# Altium PCB Cueing-shoes-LSM9DS1.PcbDoc (part 1 of 2)
Units mm, origin at the board's own origin, x right, y up, seen from the top; angles counter-clockwise.
Board outline 61.47 x 70.61 mm, 2 copper layers (Top Layer, Bottom Layer); 73 components, 55 nets, 298 pads, 1540 vias.
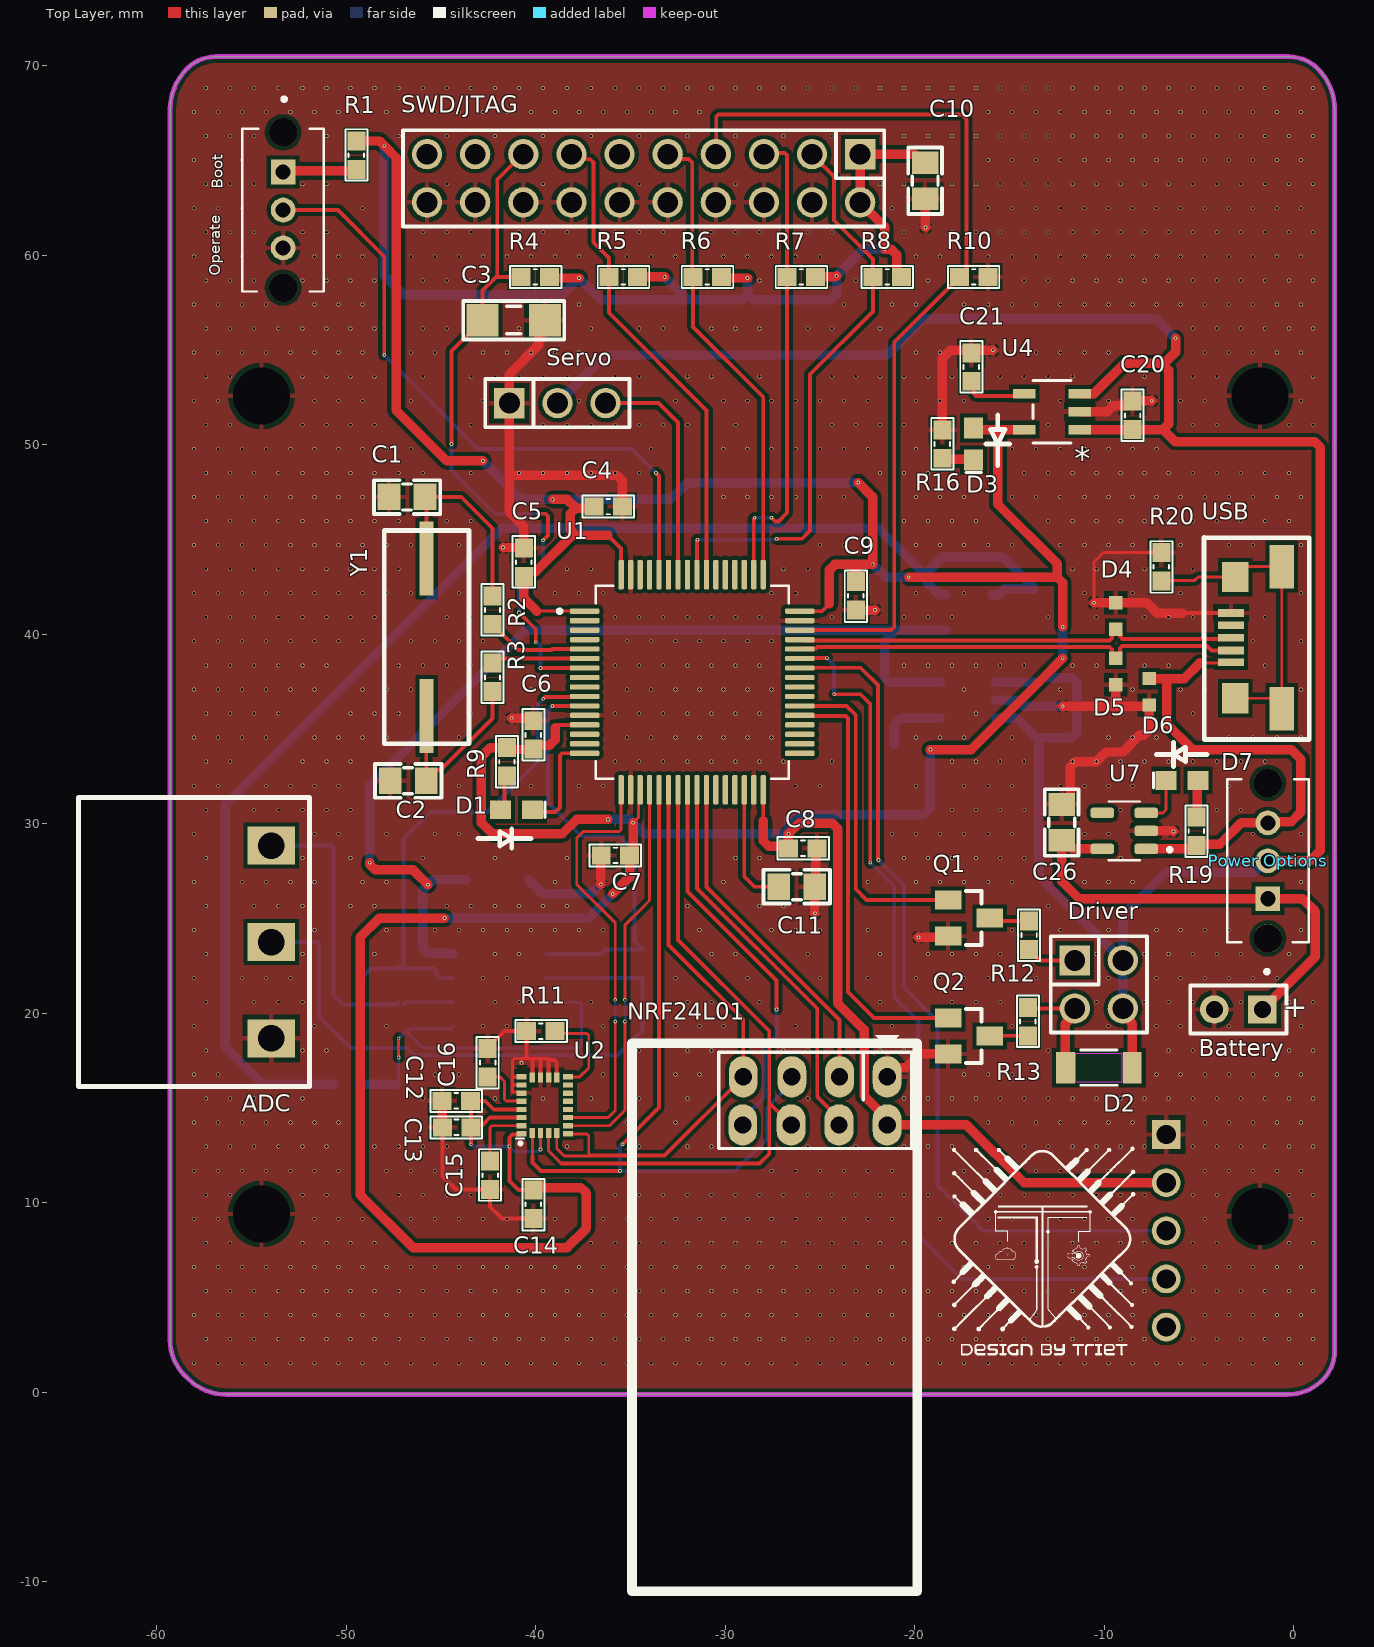
[diagram p0: Top Layer view]
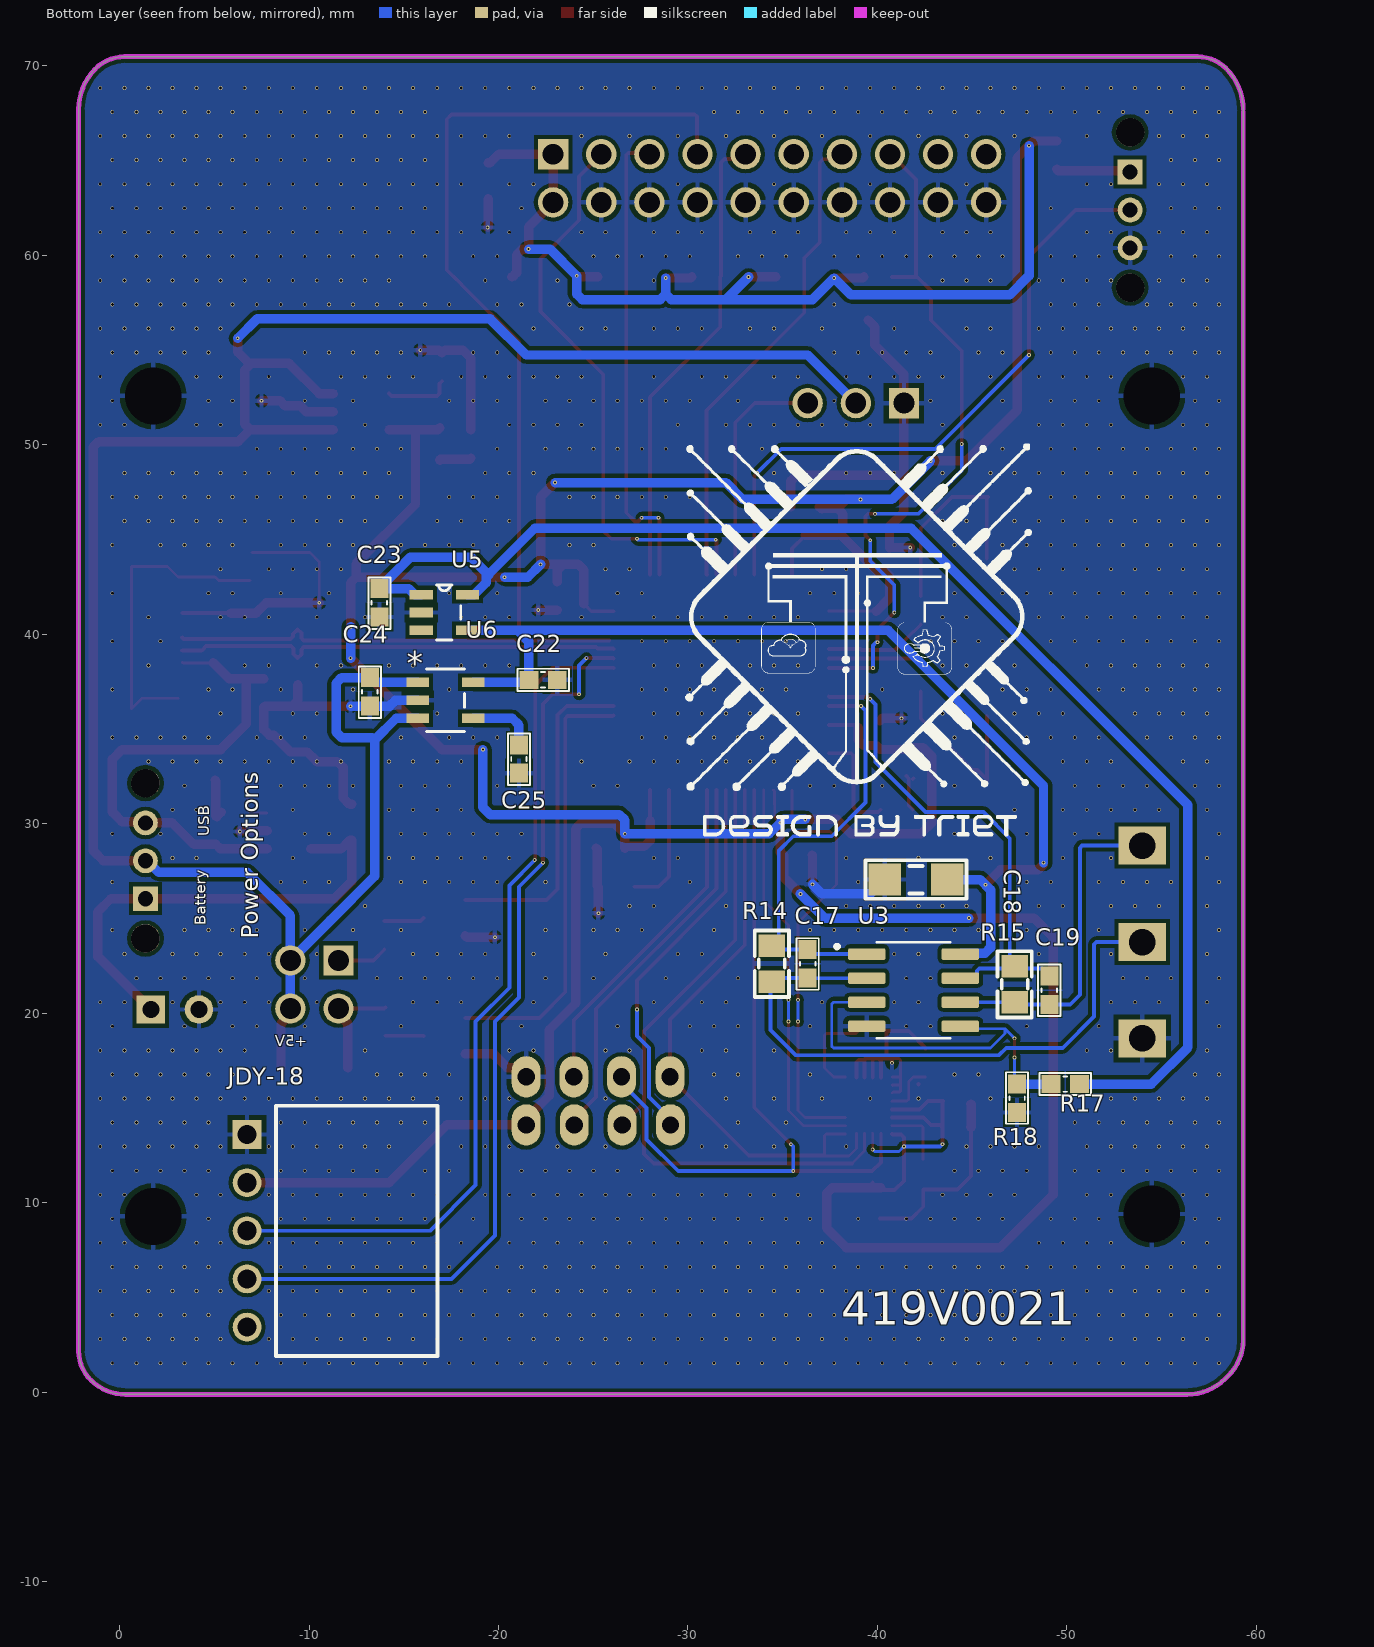
[diagram p1: Bottom Layer view, seen from below]

## Layer stack, top to bottom
Top Solder: solder mask 0.0102, Solder Resist, Dk 3.5
Top Layer: signal copper 0.0356
Dielectric 1: dielectric 0.32, FR-4, Dk 4.8
Bottom Layer: signal copper 0.0356
Bottom Solder: solder mask 0.0102, Solder Resist, Dk 3.5

## Board outline
-58.547,0.889 -58.429,0.771 ccw(c-56.261,2.939) -56.261,-0.127 -0.316,-0.127 ccw(c-0.316,2.475) 1.524,0.635 ccw(c-0.009,2.168) 2.159,2.168 2.159,67.704 ccw(c-0.876,67.704) 1.27,69.85 ccw(c-0.263,68.317) -0.263,70.485 -56.9,70.485 ccw(c-56.9,68.348) -58.411,69.859 ccw(c-56.243,67.691) -59.309,67.691 -59.309,2.729 ccw(c-56.707,2.729)

## Design rules (kind name [scope] priority, off if disabled: settings)
Clearance [All] p1: gap=0.203 ignorepadtopadclearanceinfootprint=FALSE
DiffPairsRouting [All] p1: maxlimit=0.127 minlimit=0.127 mostfreqgap=0.127 toplayer_minwidth=0.215 toplayer_maxwidth=0.215 toplayer_prefwidth=0.215 bottomlayer_minwidth=0.215 bottomlayer_maxwidth=0.215 bottomlayer_prefwidth=0.215 impedanceprofiledriven=TRUE impedanceprofileid={E0F58654-EE13-4A40-A79F-A007ECFC75F9} impedanceprofilevalue=90.000000 maxuncoupledlength=12.7
HoleSize [All] p1: absolutevalues=TRUE maxlimit=5 minlimit=0.025 maxpercent=80.000 minpercent=20.000
PolygonConnect [All] p1: connectstyle=Relief reliefconductorwidth=0.254 reliefentries=4 polygonreliefangle="90 Angle" airgapwidth=0.254
RoomDefinition PowerSrc [InComponentClass('PowerSrc')] p1: confinementstyle=ConfineOut formatcopy=TRUE lockcomponents=FALSE outline 47.498,72.898 174.117,72.898 174.117,86.741 47.498,86.741
RoomDefinition Driver [InComponentClass('Driver')] p2: confinementstyle=ConfineOut formatcopy=TRUE lockcomponents=FALSE outline 47.244,-0.127 72.771,-0.127 72.771,8.001 47.244,8.001
RoomDefinition Peripheral [InComponentClass('Peripheral')] p3: confinementstyle=ConfineOut formatcopy=TRUE lockcomponents=FALSE outline 47.244,38.989 116.713,38.989 116.713,71.501 47.244,71.501
RoomDefinition MCU [InComponentClass('MCU')] p4: confinementstyle=ConfineOut formatcopy=TRUE lockcomponents=FALSE outline 47.244,9.271 198.374,9.271 198.374,37.719 47.244,37.719
RoomDefinition ADC [InComponentClass('ADC')] p5: confinementstyle=ConfineOut formatcopy=TRUE lockcomponents=FALSE outline 47.244,-19.812 97.282,-19.812 97.282,-1.397 47.244,-1.397
RoutingVias [All] p1: holewidth=0.1 width=0.2 viastyle="Through Hole" minholewidth=0.1 minwidth=0.2 maxholewidth=0.15 maxwidth=0.25
SilkToSilkClearance [All] p1: silktosilkclearance=0.127
SilkToSolderMaskClearance [IsText] p1: minsilkscreentomaskgap=0.127 clearancetoexposedcopper=TRUE
SolderMaskExpansion [All] p1: expansion=0.102 istentingtop=FALSE
Width [All] p1: maxlimit=0.5 minlimit=0.152 preferedwidth=0.203 minimp=50.000000 maximp=50.000000 favimp=50.000000
26 further rules are at their usual default settings.

## Classes and differential pairs
differential pair class diff90: USB
component class PowerSrc: Battery C20 C21 C22 C23 C24 C25 C26 D3 D4 D5 D6 D7 "Power Options" R16 R18 R19 R20 U4 U5 U6 U7 USB
component class Peripheral: C12 C13 C14 C15 C16 JDY-18 NRF24L01 R11 U2
component class MCU: Boot C1 C2 C3 C4 C5 C6 C7 C8 C9 C10 C11 D1 R1 R2 R3 R4 R5 R6 R7 R8 R9 R10 Servo SWD/JTAG U1 Y1
component class Driver: D2 Driver Q1 Q2 R12 R13
component class ADC: ADC C17 C18 C19 R14 R15 U3
differential pair USB: +USB_P -USB_N

## Components (designator, comment, footprint, x,y, rotation, side; value= is the part's Value field where it differs from the comment)
ADC "CON 3 EDG5.08" "CON 3 3EDG5.08" -53.975,18.669 r90 top
Battery "Battery" BAT-2 -2.921,20.193 r180 top (schematic designator BT1)
Boot "OS102011MS2QN1" SW_OS102011MS2QN1 -53.34,62.389 r270 top (schematic designator Boot1)
C1 "18pF" "tu 0805" -46.798,47.241 r180 top
C2 "18pF" "tu 0805" -46.736,32.258 r180 top
C3 "104" "tu 1206" -41.172,56.572 r0 top
C4 "103" "tu 0603" -36.183,46.736 r0 top
C5 "103" "tu 0603" -40.64,43.803 r90 top
C6 "103" "tu 0603" -40.132,34.683 r90 top
C7 "103" "tu 0603" -35.802,28.321 r180 top
C8 "103" "tu 0603" -25.908,28.702 r0 top
C9 "103" "tu 0603" -23.114,42.025 r270 top
C10 "225" "tu 0805" -19.455,63.938 r270 top
C11 "225" "tu 0805" -26.232,26.673 r0 top
C12 "106" "tu 0603" -44.208,15.367 r0 top
C13 "104" "tu 0603" -44.184,13.97 r180 top
C14 "104" "tu 0603" -40.132,9.906 r270 top
C15 "104" "tu 0603" -42.418,11.442 r90 top
C16 "103" "tu 0603" -42.545,17.387 r270 top
C17 "470pF" "tu 0603" -36.322,22.606 r270 bottom
C18 "105" "tu 1206" -42.037,27.051 r0 bottom
C19 "470pF" "tu 0603" -49.073,21.209 r270 bottom
C20 "105" "tu 0603" -8.509,51.55 r90 top
C21 "105" "tu 0603" -17.018,54.102 r90 top
C22 "105" "tu 0603" -22.352,37.592 r180 bottom
C23 "105" "tu 0603" -13.716,41.656 r270 bottom
C24 "105" "tu 0603" -13.208,36.957 r270 bottom
C25 "105" "tu 0603" -21.082,33.413 r270 bottom
C26 "10pF" "tu 0805" -12.249,30.063 r90 top
D1 "LED Green" J1-0603 -41.021,30.734 r0 top
D2 "LL103A-GS08" MELF_SOD-80_VIS -10.287,17.12 r180 top
D3 "LED GREEN" J1-0603 -16.891,50.038 r270 top
D4 "AVRL161A1R1NTA" TVS_AVRL161A1R1NTA -9.398,40.959 r90 top
D5 "AVRL161A1R1NTA" TVS_AVRL161A1R1NTA -9.398,38.035 r270 top
D6 "AVRL161A1R1NTA" TVS_AVRL161A1R1NTA -7.62,36.957 r270 top
D7 "LED RED" J1-0603 -5.896,32.288 r180 top
Driver "JP 2x2 2.54" "JP 2x2 DT" -10.287,21.512 r270 top (schematic designator JP1)
JDY-18 "JP 1x5 2.54" "JP 1x5 CC" -6.731,8.509 r270 bottom (schematic designator JDY-1)
NRF24L01 "NRF24L01 Module" NRF24L01 -21.463,16.637 r180 top (schematic designator NRF1)
"Power Options" "OS102011MS2QN1" SW_OS102011MS2QN1 -1.367,28.04 r90 top
Q1 "SI2312" SOT23 -17.145,25.024 r270 top
Q2 "SI2312" SOT23 -17.145,18.796 r270 top
R1 "10k" "tro smd 0603" -49.475,65.283 r90 top
R2 "0R" "tro smd 0603" -42.291,41.275 r90 top
R3 "0R" "tro smd 0603" -42.291,37.719 r90 top
R4 "10k" "tro smd 0603" -40.029,58.858 r0 top
R5 "4.7k" "tro smd 0603" -35.388,58.858 r0 top
R6 "4.7k" "tro smd 0603" -30.954,58.858 r0 top
R7 "4.7k" "tro smd 0603" -25.995,58.858 r0 top
R8 "4.7k" "tro smd 0603" -21.46,58.858 r0 top
R9 "1k" "tro smd 0603" -41.529,33.262 r90 top
R10 "4.7k" "tro smd 0603" -16.888,58.858 r180 top
R11 "10k" "tro smd 0603" -39.739,19.05 r0 top
R12 "220R" "tro smd 0603" -13.97,24.118 r270 top
R13 "220R" "tro smd 0603" -14.032,19.553 r90 top
R14 "330k" "Tro SMD 0805" -34.365,22.606 r90 bottom
R15 "330k" "Tro SMD 0805" -47.183,21.52 r90 bottom
R16 "1k" "tro smd 0603" -18.546,50.038 r90 top
R17 "1M" "tro smd 0603" -49.911,16.256 r180 bottom
R18 "1M" "tro smd 0603" -47.371,15.506 r90 bottom
R19 "1k" "tro smd 0603" -5.134,29.609 r270 top
R20 "33k" "Tro smd 0603" -6.985,43.561 r270 top
Servo "JP 1x3 2.54" "JP 1x3 DT" -41.402,52.197 r0 top (schematic designator Servo1)
SWD/JTAG "JP 2x10 2.54" "JP 2x10 DT" -34.314,64.065 r180 top (schematic designator SWD/JTAG1)
U1 "STM32F446RET6" QFP50P1200X1200X160-64N -31.75,37.465 r0 top
U2 "LSM9DS1" PQFN24P43_350X300X102L35X23N -39.542,15.132 r90 top
U3 "OPA2335AID" SOIC127P599X175-8N -41.91,21.209 r180 bottom
U4 "TPS73630DBVR" DBV5-M -12.757,51.75 r180 top
U5 "LT6650IS5#TRPBF" SOT95P280X100-5N -17.145,41.148 r180 bottom
U6 "TPS73630DBVR" DBV5-M -17.202,36.51 r180 bottom
U7 "MAX1555EZK+T" SOT95P275X110-5N -8.944,29.621 r180 top
USB "MINI_USB_Grounding" "micro_USB shilding" -1.375,39.785 r180 top
Y1 "FOXSDLF/160-20" SMD_Crystal -48.006,45.466 r270 top

## Footprints (in the part's own frame and the unit in brackets; to place one, negate y for a bottom-side part, rotate by r counter-clockwise, add the part's x,y. Pads: shape width x height; smd on the part's side, far side on the other; paste and mask are expansions set on the pad)
BAT-2 [mm] "Battery; 2 Leads"
  rect 1.5x1.5 hole 0.9: 1(-1.27,0)
  round 1.5 hole 0.9: 2(1.27,0)
  silkscreen extent -2.54,-1.27 2.54,1.27
"CON 3 3EDG5.08" [mm]
  rect 2x2.5 hole 1.4: 1(0,0) 2(5.08,0) 3(10.173,0)
  silkscreen extent -2.54,-2.03 12.71,10.16, body extent -2.5,-1.75 12.67,10.25, height 3.15
DBV5-M [mil]
  rect 46.5x20 smd paste+0 mask+0: 1(-57.75,37.4) 2(-57.75,0) 3(-57.75,-37.4) 4(57.75,-37.4) 5(57.75,37.4)
  silkscreen extent -40,-65 40,65, body extent -59,-60 59,60, height 57
J1-0603 [mm]
  rect 1.1x1 smd: 1(-0.85,0) 2(0.85,0)
  silkscreen extent 1.5,-0.4 1.5,0.4
"JP 1x3 DT" [mm]
  rect 1.6x1.6 hole 1.1: 1(0,0)
  round 1.6 hole 1.1: 2(2.54,0) 3(5.08,0)
  silkscreen extent -1.27,-1.27 6.35,1.27, body extent -1.27,-1.27 6.35,1.27, height 8.54
"JP 1x5 CC" [mm]
  rect 1.52x1.52 hole 1.02: 1(-5.08,0)
  round 1.52 hole 1.02: 2(-2.54,0) 3(0,0) 4(2.54,0) 5(5.08,0)
  silkscreen extent -6.6,1.52 6.6,10.05, body extent -6.6,-0.25 6.6,10.05, height 2.51
"JP 2x2 DT" [mm] "JP 2x2 DT"
  rect 1.6x1.6 hole 1.1: 1(-1.27,-1.27)
  round 1.6 hole 1.1: 2(1.27,-1.27) 3(1.27,1.27) 4(-1.27,1.27)
  silkscreen extent -2.54,-2.54 2.54,2.54, body extent -2.54,-2.54 2.54,2.54, height 8.55
"JP 2x10 DT" [mm] "20 pins, dual pin, straight, gold plating"
  rect 1.6x1.6 hole 1.1: 1(-11.43,-1.27)
  round 1.6 hole 1.1: 2(-8.89,-1.27) 3(-6.35,-1.27) 4(-3.81,-1.27) 5(-1.27,-1.27) 6(1.27,-1.27) 7(3.81,-1.27) 8(6.35,-1.27) 9(8.89,-1.27) 10(11.43,-1.27) 11(11.43,1.27) 12(8.89,1.27) 13(6.35,1.27) 14(3.81,1.27) 15(1.27,1.27) 16(-1.27,1.27) 17(-3.81,1.27) 18(-6.35,1.27) 19(-8.89,1.27) 20(-11.43,1.27)
  silkscreen extent -12.7,-2.54 12.7,2.54, body extent -12.7,-2.54 12.7,2.54, height 8.55
MELF_SOD-80_VIS [mil]
  rect 39x65 smd paste+0 mask+0: 1(-69.5,0) 2(69.5,0)
  Top Layer keep-out region: -48,-30.5 -48,30.5 48,30.5 48,-30.5
  silkscreen extent -38,-37 38,37, body extent -73,-31 73,31, height 63
"micro_USB shilding" [mm]
  rect 1.35x0.4 smd: 1(1.935,1.267) 2(1.935,0.647) 3(1.935,-0.033) 4(1.935,-0.683) 5(1.935,-1.333)
  rect 1.4x1.6 smd: 6(1.71,-3.233) 9(1.71,3.167)
  rect 1.3x2.3 smd: 7(-0.74,-3.783) 8(-0.74,3.717)
  silkscreen extent -2.19,-5.31 3.36,5.34
NRF24L01 [mil]
  oval 60x86 hole 36: 1(0,0) 2(0,100) 3(99,0) 4(100,100) 5(198,0) 6(199.5,100) 7(299,0) 8(300,100)
  silkscreen extent -63,-86 530,1069, body extent -73,-74 518,1068, height 588
PQFN24P43_350X300X102L35X23N [mm]
  rect 0.28x0.53 smd mask+0: 1(-1.505,1.225) 6(-1.505,-1.225) 7(-1.075,-1.225) 8(-0.645,-1.225) 9(-0.215,-1.225) 10(0.215,-1.225) 11(0.645,-1.225) 12(1.075,-1.225) 13(1.505,-1.225) 18(1.505,1.225) 19(1.075,1.225) 20(0.645,1.225) 21(0.215,1.225) 22(-0.215,1.225) 23(-0.645,1.225) 24(-1.075,1.225)
  rect 0.53x0.28 smd mask+0: 2(-1.47,0.645) 3(-1.47,0.215) 4(-1.47,-0.215) 5(-1.47,-0.645) 14(1.47,-0.645) 15(1.47,-0.215) 16(1.47,0.215) 17(1.47,0.645)
  silkscreen extent -2.08,1.07 -1.75,1.5, body extent -1.75,-1.5 1.75,1.5, height 1.03
QFP50P1200X1200X160-64N [mm]
  rrect50% 1.56x0.28 smd: 1(-5.68,3.75) 2(-5.68,3.25) 3(-5.68,2.75) 4(-5.68,2.25) 5(-5.68,1.75) 6(-5.68,1.25) 7(-5.68,0.75) 8(-5.68,0.25) 9(-5.68,-0.25) 10(-5.68,-0.75) 11(-5.68,-1.25) 12(-5.68,-1.75) 13(-5.68,-2.25) 14(-5.68,-2.75) 15(-5.68,-3.25) 16(-5.68,-3.75) 33(5.68,-3.75) 34(5.68,-3.25) 35(5.68,-2.75) 36(5.68,-2.25) 37(5.68,-1.75) 38(5.68,-1.25) 39(5.68,-0.75) 40(5.68,-0.25) 41(5.68,0.25) 42(5.68,0.75) 43(5.68,1.25) 44(5.68,1.75) 45(5.68,2.25) 46(5.68,2.75) 47(5.68,3.25) 48(5.68,3.75)
  rrect50% 0.28x1.56 smd: 17(-3.75,-5.68) 18(-3.25,-5.68) 19(-2.75,-5.68) 20(-2.25,-5.68) 21(-1.75,-5.68) 22(-1.25,-5.68) 23(-0.75,-5.68) 24(-0.25,-5.68) 25(0.25,-5.68) 26(0.75,-5.68) 27(1.25,-5.68) 28(1.75,-5.68) 29(2.25,-5.68) 30(2.75,-5.68) 31(3.25,-5.68) 32(3.75,-5.68) 49(3.75,5.68) 50(3.25,5.68) 51(2.75,5.68) 52(2.25,5.68) 53(1.75,5.68) 54(1.25,5.68) 55(0.75,5.68) 56(0.25,5.68) 57(-0.25,5.68) 58(-0.75,5.68) 59(-1.25,5.68) 60(-1.75,5.68) 61(-2.25,5.68) 62(-2.75,5.68) 63(-3.25,5.68) 64(-3.75,5.68)
  silkscreen extent -7.1,-5.1 5.1,5.1
SMD_Crystal [mm]
  rect 3.9x0.75 smd: 1(1.476,2.235) 2(9.776,2.235)
  silkscreen extent 0,0 11.25,4.47
SOIC127P599X175-8N [mm]
  rrect25% 1.97x0.6 smd: 1(-2.47,1.905) 2(-2.47,0.635) 3(-2.47,-0.635) 4(-2.47,-1.905) 5(2.47,-1.905) 6(2.47,-0.635) 7(2.47,0.635) 8(2.47,1.905)
  silkscreen extent -4.14,-2.52 1.95,2.52, body extent -3,-2.45 3,2.45, height 1.75
SOT23 [mm]
  rect 1x1.4 smd: 1(-0.95,-1.1) 2(0.95,-1.1) 3(0,1.1)
  silkscreen extent -1.42,-0.15 1.42,0.66, body extent -1.18,-1.46 1.18,1.46, height 1.25
SOT95P275X110-5N [mm]
  rrect50% 1.24x0.55 smd: 1(-1.16,0.95) 2(-1.16,0) 3(-1.16,-0.95) 4(1.16,-0.95) 5(1.16,0.95)
  silkscreen extent -2.5,-1.55 0.83,1.55
SOT95P280X100-5N [mil]
  rect 48x20 smd: 1(-48,37) 2(-48,0) 3(-48,-37) 4(48,-37) 5(48,37)
  silkscreen extent -16,-57 34,57, body extent -55,-57 55,57, height 39
SW_OS102011MS2QN1 [mm]
  rect 1.308x1.308 hole 0.8: 1(-2,0)
  round 1.308 hole 0.8: 2(0,0) 3(2,0)
  round 1.5 hole 1.5 unplated: ""(-4.1,0) ""(4.1,0)
  silkscreen extent -5.95,-2.15 4.3,2.15, body extent -4.3,-2.15 4.3,2.15, height 4.4
"tro smd 0603" [mm] "Chip Capacitor, 2-Leads, Body 1,60x0,80mm, IPC Medium Density"
  rect 1x0.95 smd mask+0.076: 1(-0.75,0) 2(0.75,0)
  silkscreen extent -1.35,-0.58 1.37,0.58, body extent -0.82,-0.42 0.82,0.43, height 0.44
"Tro smd 0603" [mm] "Chip Capacitor, 2-Leads, Body 1,60x0,80mm, IPC Medium Density"
  rect 1x0.95 smd mask+0.076: 1(-0.75,0) 2(0.75,0)
  silkscreen extent -1.35,-0.58 1.37,0.58, body extent -0.82,-0.42 0.82,0.43, height 0.44
"Tro SMD 0805" [mm]
  rect 1.2x1.4 smd: 1(-0.946,-0.061) 2(0.954,-0.061)
  silkscreen extent -1.75,-0.97 1.75,0.84, body extent -1.56,-0.76 1.44,0.64, height 0.53
"tu 0603" [mm] "Chip Capacitor, 2-Leads, Body 1,60x0,80mm, IPC Medium Density"
  rect 1x0.95 smd mask+0.076: 1(-0.75,0) 2(0.75,0)
  silkscreen extent -1.35,-0.58 1.37,0.58, body extent -0.8,-0.4 0.8,0.4, height 0.9
"tu 0805" [mm] "Compoment SMD 80x50mil"
  rect 1.2x1.4 smd: 1(-0.946,-0.003) 2(0.954,-0.003)
  silkscreen extent -1.75,-0.89 1.75,0.89, body extent -1.01,-0.64 1.01,0.63, height 0.61
"tu 1206" [mm]
  rect 1.7x1.7 smd: 1(-1.65,0) 2(1.65,0)
  silkscreen extent -2.67,-1.02 2.67,1.02, body extent -1.57,-0.8 1.63,0.8, height 0.94
TVS_AVRL161A1R1NTA [mm]
  rect 0.7x0.7 smd: 1(-0.7,0) 2(0.7,0)
  body extent -0.8,-0.4 0.8,0.4, height 0.95

## Part data
ADC: "Cắm", Chung_Loai=Cắm, Don_Vi=Con, Ma_Hang=MH000760, Ten_Linh_Kien="CON 3 2EDG5.08-3P 5.08MM ( Xanh Cong)"
Battery: "Multicell Battery", LatestRevisionDate=17-Jul-2002, LatestRevisionNote="Re-released for DXP Platform.", PackageDescription="Battery; 2 Leads", PackageReference=BAT-2, Published=24-Mar-1999, Publisher="Altium Limited"
Boot "Power Options": "Switch Slide ON ON SPDT Top Slide 0.1A 12VDC 10000Cycles PC Pins Thru-Hole Bulk", Package=None, Availability=Unavailable, MF="{'manufacturer': u'C&K'}", MP=OS102011MS2QN1, Price=None
C1 C2: library part "Tu 0805 20pF 50V 10%", "Dán", Chung_Loai=Dán, Don_Vi=Con, Ma_Hang=MH004558, So_Chan=2, Ten_Linh_Kien="Tụ 0805 20P 10% 50V"
C3: library part "Tu 1206 104 50V 20%", "Dán", Chung_Loai=Dán, Don_Vi=Con, Ma_Hang=MH004544, So_Chan=2, Ten_Linh_Kien="Tụ 1206 104-0.1uF 20% 50V"
C4 C5 C6 C7 C8 C9 C16: library part "Tu 0603 103 50V 10%", "Dán", Chung_Loai=Dán, Don_Vi=Con, Ma_Hang=MH004567, So_Chan=2, Ten_Linh_Kien="Tụ 0603 103-10nF 10% 50V"
C10 C11: library part "Tu 0805 225 25V 10%", "Dán", Chung_Loai=Dán, Don_Vi=Con, Ma_Hang=MH007483, So_Chan=2, Ten_Linh_Kien="Tụ 0805 225-2.2uF 25V 10%"
C12: library part "Tu 0603 106 16V 20%", "Dán", Chung_Loai=Dán, Don_Vi=Con, Ma_Hang=MH004848, So_Chan=2, Ten_Linh_Kien="Tụ 0603-10uF 20% 16V"
C13 C14 C15: library part "Tu 0603 104 50V 10%", "Dán", Chung_Loai=Dán, Don_Vi=Con, Ma_Hang=MH004568, So_Chan=2, Ten_Linh_Kien="Tụ 0603 104-100nF 10% 50V"
C17 C19: library part "Tu 0603 470pF 50V 10%", "Dán", Chung_Loai=Dán, Don_Vi=Con, Ma_Hang=MH004571, So_Chan=2, Ten_Linh_Kien="Tụ 0603 470P 50V 10%"
C18: library part "Tu 1206 105 50V 20%", "Dán", Chung_Loai=Dán, Don_Vi=Con, Ma_Hang=MH004545, So_Chan=2, Ten_Linh_Kien="Tụ 1206 105-1uF 20% 50V"
C20 C21 C22 C23 C24 C25: library part "Tu 0603 105 16V 20%", "Dán", Chung_Loai=Dán, Don_Vi=Con, Ma_Hang=MH004574, So_Chan=2, Ten_Linh_Kien="Tụ 0603 105-1uF 20% 16V"
C26: library part "Tu 0805 10pF 50V 10%", "Dán", Chung_Loai=Dán, Don_Vi=Con, Ma_Hang=MH004554, So_Chan=2, Ten_Linh_Kien="Tụ 0805 10P 10% 50V"
D1 D3 D7: library part Diode, "Default Diode", PackageDocument=Sep-1996, Code_JEDEC=DO-214-AB, LatestRevisionDate=17-Jul-2002, LatestRevisionNote="Re-released for DXP Platform.", PackageReference=SMC, Published=8-Jun-2000, Publisher="Altium Limited"
D2: "No Description Available", Mfr_Name=Vishay
D4 D5 D6 U3 U7: Package=None, Availability=Unavailable, Price=None
  D4 D5 D6: MF="{'manufacturer': u'TDK'}", MP=AVRL161A1R1NTA
  U3: MF="{'manufacturer': u'Texas Instruments'}", MP=OPA2335AID
  U7: MF="{'manufacturer': u'Analog Devices'}", MP=MAX1555EZK+T
Driver: library part "JP 2x2 2.54 Duc Thang", "Cắm", Chung_Loai=Cắm, Don_Vi=Con, Ma_Hang=MH002686, Ten_Linh_Kien="Jump Đôi Đực 2.54MM 2x40P Thẳng 11MM"
JDY-18: library part "JP 1x5 2.54 Cai Cong", "Cắm", Chung_Loai=Cắm, Don_Vi=Con, Ma_Hang=MH001265, Ten_Linh_Kien="Jump Đơn Cái 2.54MM 1x40P Cong"
Q1 Q2: "<b>N-Channel MOSFET</b>    <a href=\"https://pricing.snapeda.com/parts/SI2312/Micro%20Commercial%20Components/view-part?ref=eda\">Check availability</a> <a href=\"https://pricing.snapeda.com/parts/SI2312/Micro%20Commercial%20Components/view-part?ref=eda\">Check availability</a>", Package=None, Availability=Unavailable, MF="{'manufacturer': u'Micro Commercial Components'}", MP=SI2312-TP, Price=None
R1 R4 R11: library part "Tro 0603 1% 10k", "Dán", Chung_Loai=Dán, Don_Vi=Con, Ma_Hang=MH006333, So_Chan=2, Ten_Linh_Kien="Trở 0603 1% 10k"
R2 R3: library part "Tro 0603 1% 0R", "Dán", Chung_Loai=Dán, Don_Vi=Con, Ma_Hang=MH005792, So_Chan=2, Ten_Linh_Kien="Trở 0603 1% 0R"
R5 R6 R7 R8 R10: library part "Tro 0603 5% 4.7k", "Dán", Chung_Loai=Dán, Don_Vi=Con, Ma_Hang=MH006327, So_Chan=2, Ten_Linh_Kien="Trở 0603 5% 4.7k"
R9 R19: library part "Tro 0603 1% 1k", "Dán", Chung_Loai=Dán, Don_Vi=Con, Ma_Hang=MH006334, So_Chan=2, Ten_Linh_Kien="Trở 0603 1% 1k"
R12 R13: library part "Tro 0603 5% 220R", "Dán", Chung_Loai=Dán, Don_Vi=Con, Ma_Hang=MH006322, So_Chan=2, Ten_Linh_Kien="Trở 0603 5% 220R"
R14 R15: library part "Tro 0805 5% 330k", "Dán", Chung_Loai=Dán, Don_Vi=Con, Ma_Hang=MH005336, So_Chan=2, Ten_Linh_Kien="Trở 0805 5% 330K"
R16: library part "Tro 0603 5% 1k", "Dán", Chung_Loai=Dán, Don_Vi=Con, Ma_Hang=MH006319, So_Chan=2, Ten_Linh_Kien="Trở 0603 5% 1k"
R17 R18: library part "Tro 0603 5% 1M", "Dán", Chung_Loai=Dán, Don_Vi=Con, Ma_Hang=MH006909, So_Chan=2, Ten_Linh_Kien="Trở 0603 5% 1M"
R20: library part "Tro 0603 1% 33k", "Dán", Chung_Loai=Dán, Don_Vi=Con, Ma_Hang=MH006335, So_Chan=2, Ten_Linh_Kien="Trở 0603 1% 33k"
Servo: library part "JP 1x3 2.54 Duc Thang", "Cắm", Chung_Loai=Cắm, Don_Vi=Con, Ma_Hang=MH000903, Ten_Linh_Kien="Jump Đơn Đực 2.54MM 1x40P Thẳng 11MM"
SWD/JTAG: library part "JP 2x10 2.54 Duc Thang", "Cắm", Chung_Loai=Cắm, Don_Vi=Con, Ma_Hang=MH002686, Ten_Linh_Kien="Jump Đôi Đực 2.54MM 2x40P Thẳng 11MM"
U1: "MCU 32-Bit STM32 ARM Cortex M4 RISC 512KB Flash 2.5V/3.3V 64-Pin LQFP Tray", Package=None, Availability=Unavailable, MF="{'manufacturer': u'STMicroelectronics'}", MP=STM32F446RET6, Price=None
U2: "iNEMO inertial module: 3D accelerometer, 3D gyroscope, 3D magnetometer", Package=None, Availability=Unavailable, MF="{'manufacturer': u'STMicroelectronics'}", MP=LSM9DS1, Price=None
U4 U6: "No Description Available", Mfr_Name="Texas Instruments", RefDes=RefDes, Type=Type
U5: "Micropower, 400mV Reference with Rail-to-Rail Buffer Amplifier", Package=None, Availability=Unavailable, MF="{'manufacturer': u'Analog Devices'}", MP=LT6650IS5#TRPBF, Price=None
Y1: library part "Crystal 16MHz 20pF 2-Pin", "Crystal 16MHz 20pF 2-Pin HC-49/SD", Package="HC49/US Fox", Digi-Key_Part_Number=631-1017-2-ND, Digi-Key_Purchase_URL=https://www.digikey.tw/product-detail/en/fox-electronics/FC4SDCBMF16.0-T1/631-1017-2-ND/1024609?utm_source=snapeda&utm_medium=aggregator&utm_campaign=symbol, MF=Fox, MP=FOXSDLF/160-20, SnapEDA_Link=https://www.snapeda.com/parts/FOXSDLF/160-20/Fox%20Electronics/view-part/?ref=snap

## Free pads (board coordinates)
  round 1.524 hole 3: 7(-54.483,52.578) 8(-54.483,9.398) 9(-1.778,9.271) 10(-1.778,52.578)

## Via types
v1: diameter 0.2/0.2 (per signal layer), hole 0.15, Top Layer to Bottom Layer, 1475 vias
v2: diameter 0.2, hole 0.1, Top Layer to Bottom Layer, 65 vias

## Nets (pads, with @x,y where several pads share a name; then routed paths per layer and width w, separated by ;. In a path a pad name is that pad's centre, name@x,y a point inside that pad or via, vN(x,y) a via of type N, cw(c..) or ccw(c..) an arc to the next point about the centre after c; other vN are vias at no path point)
0.2V: R17.1 R18.2 U3.3 U3.5 | length 21.3
  Top Layer w0.152: v2(-47.244,17.653) v2(-47.244,18.669)
  Bottom Layer w0.152: R18.2@-47.371,16.256 -47.244,16.383 v2(-47.244,17.653) ; v2(-47.244,18.669) -46.736,19.177 ; U3.5@-44.38,19.304 -44.507,19.177 -46.736,19.177 ; U3.3@-39.44,20.574 -37.681,20.574 -37.592,20.485 -37.592,18.25 -37.681,18.161 -45.974,18.161 -46.736,18.923 -46.736,19.177
  Bottom Layer w0.5: R17.1@-49.161,16.256 R18.2@-47.371,16.256
0.4V: C23.1 R17.2 U5.1 U5.5 | length 74.1
  Bottom Layer w0.5: R17.2@-50.661,16.256 -54.453,16.256 -56.388,18.191 -56.388,30.988 -41.783,45.593 -21.912,45.593 -19.486,43.167 -19.486,43.125 ; U5.5@-18.364,42.088 -18.72,42.088 -19.351,42.719 -19.351,43.26 -18.542,44.069 -15.354,44.069 -13.716,42.431 C23.1@-13.716,42.406 -15.252,42.406 -15.57,42.088 U5.1@-15.926,42.088
+3.3V_STM32: C4.1 C5.1 C6.1 C7.1 C8.1 C9.1 C10.1 C12.2 C13.1 C14.1 D3.1 JDY-18.2 NRF24L01.2 R1.2 R4.2 R5.2 R6.2 R7.2 R8.2 R9.2 SWD/JTAG.1 SWD/JTAG.20 U1.1 U1.13 U1.19 U1.32 U1.48 U1.64 U2.1 U2.3 U2.22 U2.23 U4.5 | length 310.7
  Top Layer w0.152: -39.945,41.215 U1.1@-37.43,41.215 ; v2@-39.757,12.803 -39.754,12.806 -39.754,13.659 U2.3@-39.757,13.662 ; v2(-34.872,30.048) -34.581,30.339 -34.581,30.992 -34.564,31.009 -34.564,31.721 U1.19@-34.5,31.785
  Top Layer w0.203: v2(-43.434,13.081) C13.1@-43.434,13.97 ; U2.1@-40.767,13.627 -40.805,13.589 -41.251,13.589 -41.402,13.438 v2(-41.402,12.954) -41.402,11.146 -40.912,10.656 C14.1@-40.132,10.656 ; U2.23@-40.767,14.487 -42.438,14.487 -42.828,14.097 -43.307,14.097 C13.1@-43.434,13.97 ; U2.22@-40.767,14.917 -42.226,14.917 -42.676,15.367 C12.2@-43.458,15.367 -43.434,15.343 C13.1@-43.434,13.97 ; C14.1@-39.757,11.055 -39.516,10.814 ; v2@-39.757,12.803 v2(-39.751,12.797) ; -38.989,35.052 -38.826,35.215 U1.13@-37.43,35.215 ; -36.195,45.212 -35.5,44.517 U1.64@-35.5,43.145 ; -28,30.159 U1.32@-28,31.785 ; U1.48@-26.07,41.215 -24.9,41.215 -24.511,41.604
  Top Layer w0.5: R1.2@-49.475,66.033 -48.253,66.033 v2(-48.006,65.786) -47.371,65.151 -47.371,51.816 -44.704,49.149 v2(-42.799,49.149) ; v2(-44.831,25.019) -48.26,25.019 -49.276,24.003 -49.276,10.414 -46.482,7.62 -38.354,7.62 -37.338,8.636 -37.338,10.502 -37.631,10.795 -40.172,10.795 C14.1@-40.177,10.79 ; -39.945,41.215 -40.64,41.91 C5.1@-40.64,43.053 -40.64,43.078 -40.415,43.303 -40.009,43.303 -37.993,45.319 ; R4.2@-39.279,58.858 -39.222,58.801 v2(-37.719,58.801) ; v2(-39.116,47.117) -38.354,47.117 -37.89,46.653 ; -38.989,35.052 -38.989,34.426 -39.289,34.126 -39.939,34.126 C6.1@-40.132,33.933 -40.15,33.915 -41.432,33.915 R9.2@-41.529,34.012 -42.41,34.012 -42.874,33.548 -42.874,30.046 -42.292,29.464 -38.608,29.464 -37.846,30.226 v2(-36.195,30.226) ; C4.1@-36.933,46.736 -37.06,46.609 -37.104,46.653 -37.89,46.653 ; -36.195,45.212 -37.885,45.212 -37.993,45.319 ; v2(-35.941,26.289) -35.052,27.178 C7.1@-35.052,28.321 -34.872,28.501 v2(-34.872,30.048) ; R5.2@-34.638,58.858 v2(-33.204,58.858) ; R6.2@-30.204,58.858 -30.147,58.801 v2(-28.829,58.801) ; -28,30.159 -28,29.101 -27.707,28.809 -26.765,28.809 C8.1@-26.67,28.714 ; C8.1@-26.658,28.702 C8.1@-26.67,28.714 ; R7.2@-25.245,58.858 -24.187,58.858 v2(-24.13,58.916) ; -24.511,41.604 -24.511,43.395 -24.218,43.688 -23.407,43.688 ; C9.1@-23.114,42.775 -23.114,43.395 -23.407,43.688 ; v2(-22.987,48.006) -22.225,47.244 v2(-22.225,43.688) -23.407,43.688 ; R8.2@-20.71,58.858 -20.735,58.858 -20.96,59.083 -20.96,60.032 -21.253,60.325 v2(-21.59,60.325) -21.59,61.501 SWD/JTAG.20@-22.884,62.795 SWD/JTAG.1@-22.884,65.335 -20.01,65.335 -19.559,64.884 C10.1@-19.459,64.884 ; v2(-20.32,43.006) -12.485,43.006 ; v2(-19.177,33.909) -17.018,33.909 -13.462,37.465 v2(-12.192,38.735) ; D3.1@-16.891,50.888 -16.807,50.804 -15.621,50.804 ; U4.5@-14.224,50.8 -14.228,50.804 -15.621,50.804 ; v2(-12.192,40.386) -12.192,42.713 -12.485,43.006 ; JDY-18.2@-6.731,11.049 -14.224,11.049 -17.272,14.097 NRF24L01.2@-21.463,14.097 -21.463,14.427 -22.678,15.642 -22.678,19.122 -24.077,20.521 -24.077,29.739 -24.37,30.032 -26.102,30.032 v2(-26.67,29.464) C8.1@-26.67,28.714 ; -37.993,45.319 -38.183,45.51 -38.183,46.36 -37.89,46.653 ; -15.621,50.804 -15.621,46.863 -12.485,43.727 -12.485,43.006
  Bottom Layer w0.152: v2(-41.402,12.954) -41.389,12.954 -41.135,12.7 -39.861,12.7 -39.764,12.797 v2(-39.751,12.797)
  Bottom Layer w0.203: v2(-43.434,13.081) -43.307,12.954 v2(-41.402,12.954)
  Bottom Layer w0.5: v2(-48.006,65.786) -48.006,58.928 -46.99,57.912 -38.608,57.912 v2(-37.719,58.801) -36.576,57.658 -32.004,57.658 ; v2(-44.831,25.019) -37.211,25.019 v2(-35.941,26.289) ; v2(-42.799,49.149) -40.767,47.117 v2(-39.116,47.117) -32.893,47.117 -32.004,48.006 v2(-22.987,48.006) ; v2(-36.195,30.226) -35.051,30.226 v2(-34.872,30.048) -34.289,29.464 v2(-26.67,29.464) -26.67,30.187 -26.377,30.48 -19.558,30.48 -19.177,30.861 v2(-19.177,33.909) ; v2(-33.204,58.858) -32.004,57.658 ; v2(-28.829,58.801) -28.829,57.951 ; v2(-22.225,43.688) -21.543,43.006 v2(-20.32,43.006) ; v2(-21.59,60.325) -22.721,60.325 v2(-24.13,58.916) -24.13,57.951 -24.423,57.658 -28.536,57.658 -28.829,57.951 ; v2(-12.192,38.735) v2(-12.192,40.386) ; -32.004,57.658 -29.122,57.658 -28.829,57.951
+5V: "Power Options.2" C20.1 C24.1 D2.1 Driver.3 Driver.4 Servo.2 U4.1 U4.3 U6.1 U6.3 | length 125.1
  Top Layer w0.203: Servo.2@-38.989,52.324 Servo.2@-38.862,52.197
  Top Layer w0.5: U4.1@-11.29,50.8 C20.1@-8.509,50.8 -6.897,50.8 ; U4.3@-11.29,52.7 -11.286,52.704 -10.542,52.704 -8.949,54.297 -6.965,54.297 -6.897,54.229 ; Driver.3@-9.017,20.242 -9.017,19.944 -8.522,19.449 D2.1@-8.522,17.12 ; v2(-6.235,55.62) -6.235,54.89 -6.897,54.229 ; -1.367,28.04 0.862,28.04 1.397,28.575 1.397,49.872 1.104,50.165 -6.262,50.165 -6.897,50.8 ; -6.897,50.8 -6.604,51.093 -6.604,53.936 -6.897,54.229
  Bottom Layer w0.5: Servo.2@-38.862,52.197 -36.322,54.737 -21.463,54.737 -19.558,56.642 -7.258,56.642 v2(-6.235,55.62) ; U6.3@-15.735,35.56 -14.605,35.56 -13.462,34.417 ; U6.1@-15.735,37.46 C24.1@-13.433,37.46 ; C24.1@-13.208,37.707 -11.723,37.707 -11.43,37.414 -11.43,34.837 -11.723,34.544 -13.335,34.544 -13.462,34.417 ; Driver.3@-9.017,20.242 Driver.4@-9.017,22.782 ; -1.367,28.04 -1.456,28.04 -2.064,27.432 -6.731,27.432 -9.017,25.146 Driver.4@-9.017,22.782 ; -13.462,34.417 -13.462,27.227 -11.13,24.895 Driver.4@-9.017,22.782
+AVCC: C18.1 C22.1 U3.8 U5.4 U6.5 | length 54.5
  Top Layer w0.5: v2(-48.768,27.94) -48.768,27.852 -48.475,27.559 -46.482,27.559 v2(-45.701,26.778)
  Bottom Layer w0.5: v2(-48.768,27.94) -48.768,32.004 -40.564,40.208 -21.006,40.208 ; U3.8@-44.38,23.114 -44.43,23.164 -45.681,23.164 -45.974,23.457 -45.974,26.504 -45.427,27.051 C18.1@-43.687,27.051 ; U6.5@-18.669,37.46 -21.352,37.46 -21.59,37.698 -21.59,39.624 -21.006,40.208 ; U5.4@-18.364,40.208 -21.006,40.208
+V_Bat: "Power Options.1" Battery.1 C26.1 U7.5 | length 24.9
  Top Layer w0.5: U7.5@-10.104,28.671 -11.699,28.671 -12.146,29.118 C26.1@-12.246,29.118 -12.246,26.963 -11.323,26.04 -1.367,26.04 0.464,26.04 1.143,25.361 1.143,22.987 Battery.1@-1.651,20.193
+V_USB: "Power Options.3" D6.1 R19.2 U7.1 USB.1 | length 26.7
  Top Layer w0.152: -4.953,38.481 -3.347,38.481 USB.1@-3.31,38.518
  Top Layer w0.5: U7.1@-7.784,28.671 -5.322,28.671 -5.08,28.913 -3.909,28.913 -2.781,30.04 -1.367,30.04 -1.308,30.099 -0.127,30.099 0.381,30.607 0.381,33.401 -0.127,33.909 -5.334,33.909 -6.698,35.273 -6.698,37.657 ; D6.1@-7.62,37.657 -6.698,37.657 ; -4.953,38.481 -5.777,37.657 -6.698,37.657
Boot: Boot.2 U1.60 | length 33.9
  Top Layer w0.203: Boot.2@-53.34,62.325 -53.276,62.389 -50.451,62.389 -48.006,59.944 v2(-48.006,54.737) ; v2(-33.655,48.514) -33.5,48.359 U1.60@-33.5,43.145
  Bottom Layer w0.203: v2(-48.006,54.737) -43.053,49.784 -34.925,49.784 v2(-33.655,48.514)